# Allegro board FEE5_10_30.brd (continued)
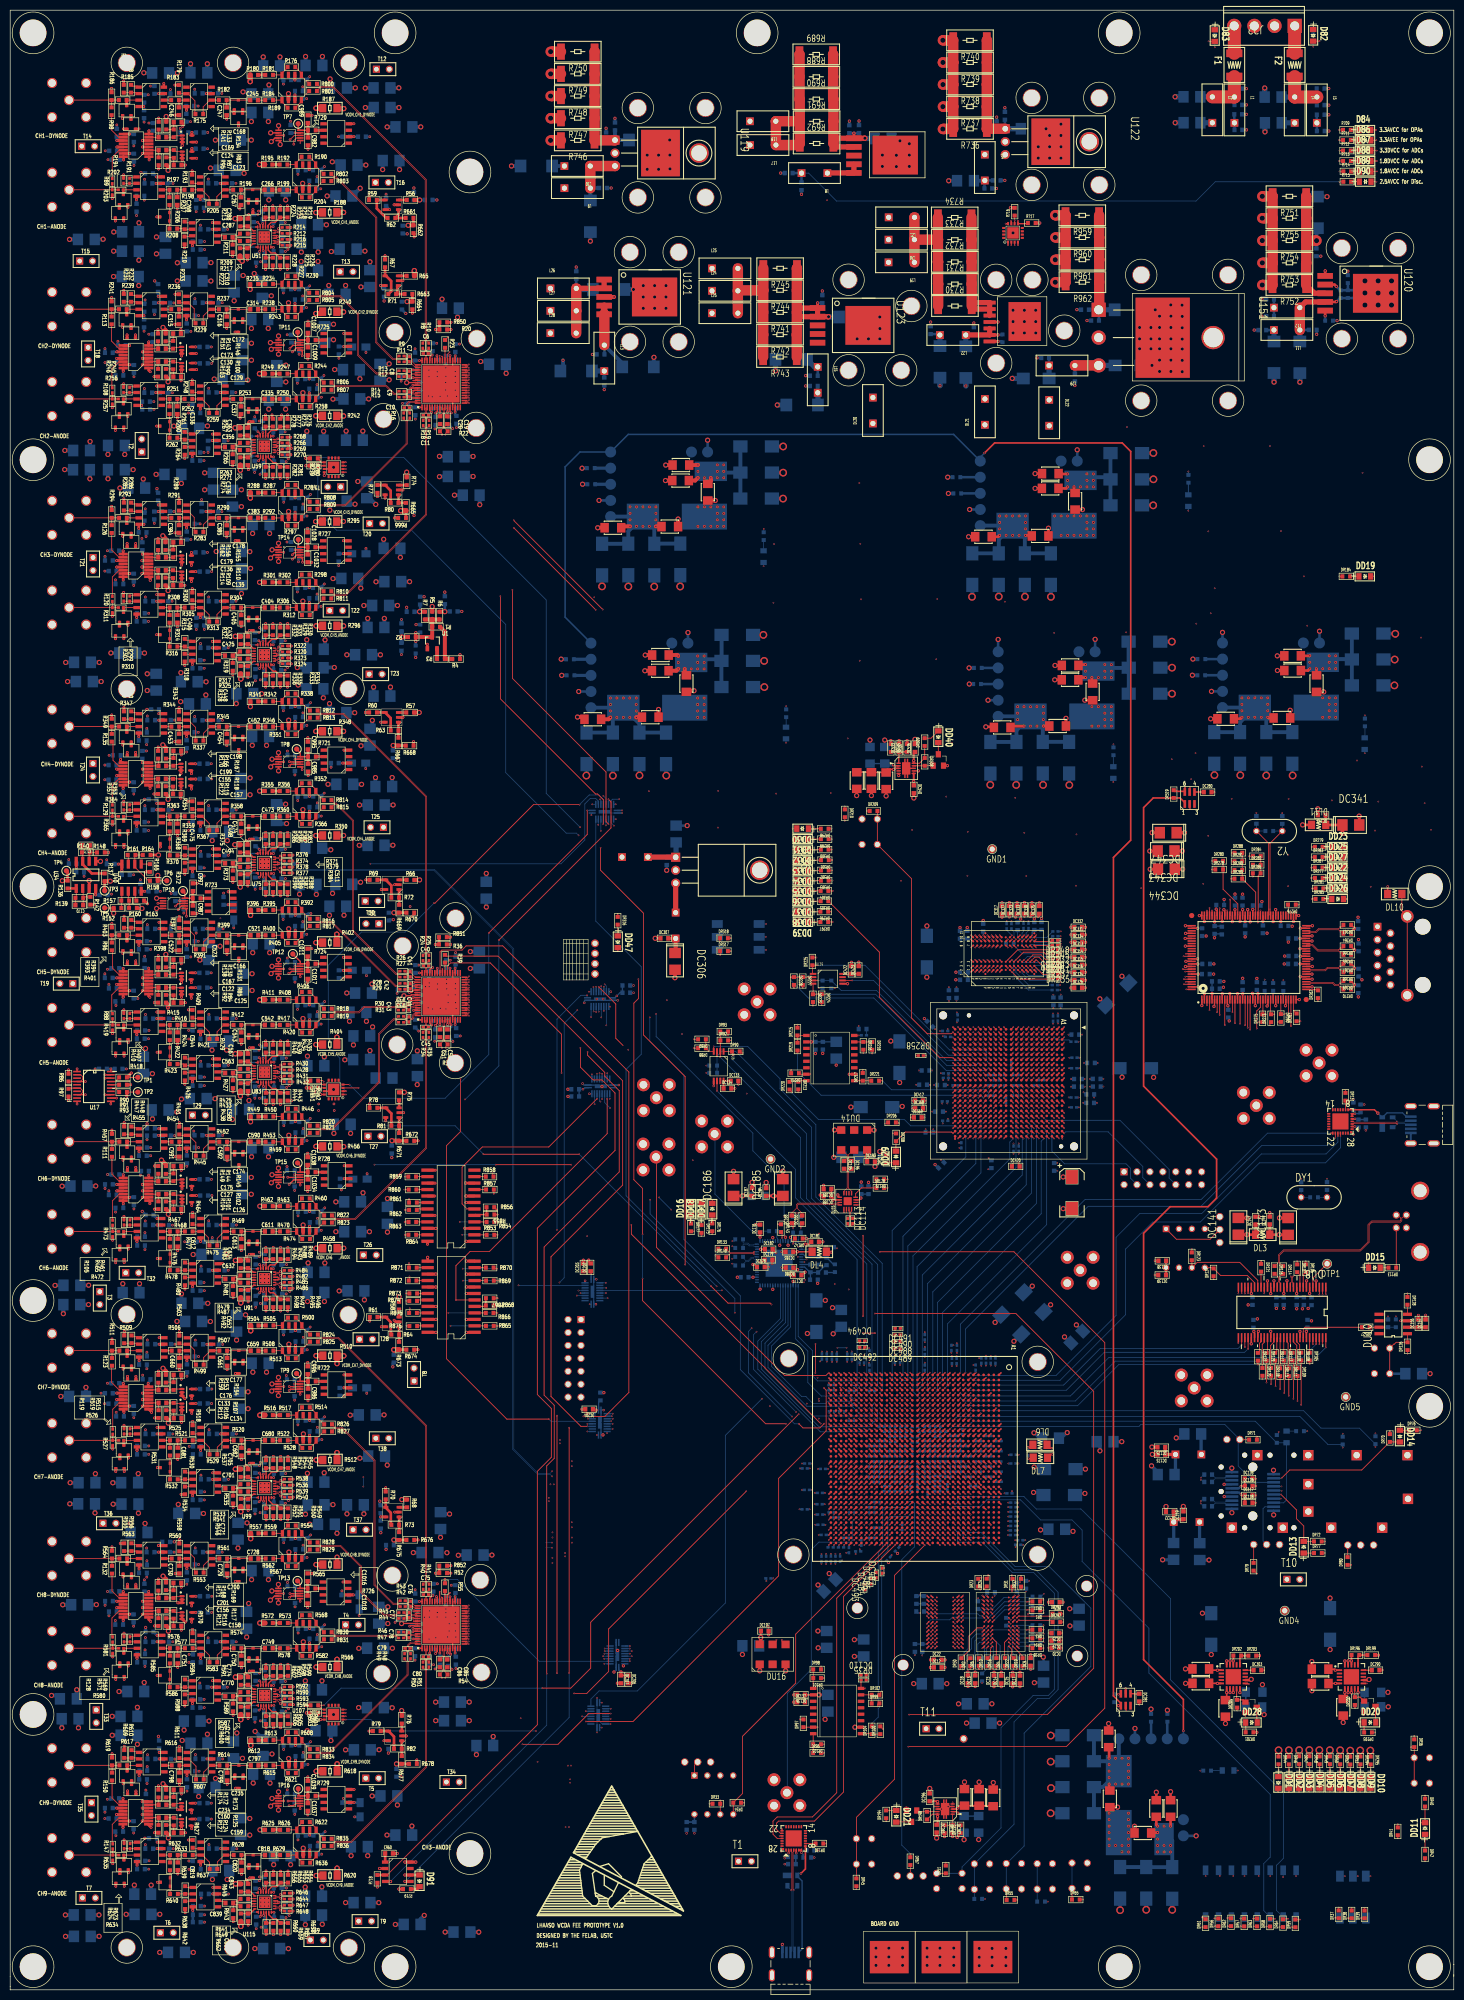
[diagram p0: board, top side]
## Placement (name value [footprint] x y rotation side) (continued)
DC429  0.22UF  [SC0402]  179.05 105.75 180 bottom
DC430  0.22UF  [SC0402]  181.23 105.76 180 bottom
DC431  0.22UF  [SC0402]  184.04 105.77 0 bottom
DC432  0.22UF  [SC0402]  186.23 105.78 0 bottom
DC433  0.22UF  [SC0402]  169.18 106.76 180 bottom
DC434  0.22UF  [SC0402]  171.35 106.77 180 bottom
DC435  0.22UF  [SC0402]  175.45 106.77 180 bottom
DC436  0.22UF  [SC0402]  170.21 103.73 180 bottom
DC437  0.22UF  [SC0402]  180.04 100.73 180 bottom
DC438  0.22UF  [SC0402]  182.18 99.9 180 bottom
DC439  0.22UF  [SC0402]  186.25 101.73 0 bottom
DC440  0.22UF  [SC0402]  184.33 100.74 180 bottom
DC441  0.22UF  [SC0402]  182.2 100.91 0 bottom
DC442  0.22UF  [SC0402]  180.01 101.75 0 bottom
DC443  0.22UF  [SC0402]  179.97 102.74 180 bottom
DC444  0.22UF  [SC0402]  182.16 102.74 180 bottom
DC445  0.22UF  [SC0402]  184.99 102.73 0 bottom
DC446  0.22UF  [SC0402]  181.03 103.74 180 bottom
DC447  0.22UF  [SC0402]  183.2 103.74 180 bottom
DC448  0.22UF  [SC0402]  183.34 109.6 0 bottom
DC449  0.22UF  [SC0402]  180.11 110.6 0 bottom
DC450  0.22UF  [SC0402]  182.29 110.6 0 bottom
DC451  0.22UF  [SC0402]  176.55 109.6 0 bottom
DC452  0.22UF  [SC0402]  181.17 109.61 0 bottom
DC453  0.22UF  [SC0402]  179 109.6 0 bottom
DC454  2.2UF  [SC0402]  185.33 104.77 0 bottom
DC455  2.2UF  [SC0402]  183.15 104.77 0 bottom
DC456  2.2UF  [SC0402]  173.2 105.77 0 bottom
DC457  2.2UF  [SC0402]  175.4 105.77 0 bottom
DC458  2.2UF  [SC0402]  172.39 103.73 180 bottom
DC459  2.2UF  [SC0402]  174.38 104.77 0 bottom
DC460  0.22UF  [SC0402]  172.35 101.73 180 bottom
DC461  0.22UF  [SC0402]  186.26 107.77 0 bottom
DC462  0.22UF  [SC0402]  169.36 104.76 180 bottom
DC463  0.22UF  [SC0402]  169.24 102.74 180 bottom
DC464  0.22UF  [SC0402]  171.19 107.77 0 bottom
DC465  0.22UF  [SC0402]  173.41 107.59 180 bottom
DC466  0.22UF  [SC0402]  177.72 108.53 0 bottom
DC467  0.22UF  [SC0402]  175.4 108.6 0 bottom
DC468  0.22UF  [SC0402]  173.23 108.61 0 bottom
DC469  0.22UF  [SC0402]  156.08 102.38 180 bottom
DC470  0.22UF  [SC0402]  156.56 103.35 180 bottom
DC471  0.22UF  [SC0402]  159.66 102.29 180 bottom
DC472  0.22UF  [SC0402]  174.31 97.9 0 bottom
DC473  0.22UF  [SC0402]  176.48 97.91 0 bottom
DC474  0.22UF  [SC0402]  178.24 98.64 90 bottom
DC475  0.22UF  [SC0402]  180.25 97.88 270 bottom
DC476  0.22UF  [SC0402]  182.12 97.9 180 bottom
DC477  0.22UF  [SC0402]  184.07 98.65 270 bottom
DC478  0.22UF  [SC0402]  172.27 98.9 180 bottom
DC479  0.22UF  [SC0402]  174.31 99.73 180 bottom
DC480  0.22UF  [SC0402]  176.44 98.91 180 bottom
DC481  0.22UF  [SC0402]  180.01 99.74 0 bottom
DC482  0.22UF  [SC0402]  182.16 98.91 0 bottom
DC483  0.22UF  [SC0402]  172.15 97.9 0 bottom
DC484  2.2UF  [SC0402]  169.11 80.23 270 top
DC485  2.2UF  [SC0402]  172.52 84.64 225 bottom
DC486  2.2UF  [SC0402]  170.16 81.42 270 top
DC487  2.2UF  [SC0402]  171.27 82.29 270 top
DC488  2.2UF  [SC0402]  174.32 127.34 0 top
DC489  2.2UF  [SC0402]  174.31 125.93 0 top
DC490  2.2UF  [SC0402]  174.32 128.65 0 top
DC491  2.2UF  [SC0402]  174.36 129.9 0 top
DC492  0.22UF  [SC0402]  167.38 126.18 0 top
DC493  0.22UF  [SC0402]  167.93 79.09 270 top
DC494  0.22UF  [SC0402]  167.37 127.46 180 top
DC495  0.22UF  [SC0402]  173.78 123.67 90 bottom
DC496  0.22UF  [SC0402]  167.75 123.62 90 bottom
DC497  0.22UF  [SC0402]  166.86 123.62 90 bottom
DC498  0.22UF  [SC0402]  174.82 123.67 90 bottom
DC499  0.22UF  [SC0402]  179.66 128.15 90 bottom
DC500  0.22UF  [SC0402]  185.91 123.47 90 bottom
DC501  0.22UF  [SC0402]  184.89 126.05 90 bottom
DC502  0.22UF  [SC0402]  185.98 126.06 90 bottom
DC503  0.22UF  [SC0402]  168.8 122.16 90 bottom
DC504  47UF  [STC3528]  167.67 67.13 270 bottom
DC505  0.22UF  [SC0402]  168.79 125.04 90 bottom
DC506  0.22UF  [SC0402]  179.66 125.27 90 bottom
DC507  0.22UF  [SC0402]  190.77 123.54 90 bottom
DC508  0.22UF  [SC0402]  191.69 123.55 90 bottom
DC509  0.22UF  [SC0402]  159.06 97.58 180 bottom
DC510  0.22UF  [SC0402]  165.32 124.34 90 bottom
DC511  0.22UF  [SC0402]  164.42 124.34 90 bottom
DC512  0.22UF  [SC0402]  159.17 91.33 180 bottom
DC513  0.22UF  [SC0402]  159.11 93.33 180 bottom
DC514  0.22UF  [SC0402]  159 95.36 180 bottom
DC515  0.22UF  [SC0402]  156.05 94.35 180 bottom
DC516  0.22UF  [SC0402]  148.94 80.78 180 bottom
DC517  0.22UF  [SC0402]  166.58 86.1 180 bottom
DC518  0.22UF  [SC0402]  162.12 84.63 270 bottom
DC519  0.22UF  [SC0402]  163.04 84.64 270 bottom
DC520  0.22UF  [SC0402]  159.37 84.62 270 bottom
DC521  0.22UF  [SC0402]  197.06 93.86 0 bottom
DC522  0.22UF  [SC0402]  197.06 94.77 0 bottom
DC523  0.22UF  [SC0402]  196.99 89.29 0 bottom
DC524  0.22UF  [SC0402]  197.06 95.67 0 bottom
DC525  0.22UF  [SC0402]  156.5 98.17 180 bottom
DC526  0.22UF  [SC0402]  196.3 97.48 0 bottom
DC527  0.22UF  [SC0402]  198.43 88.28 0 bottom
DC528  2.2UF  [SC0402]  198.01 87.38 0 bottom
DC529  470uF  [TANT-D]  208.58 156.51 270 top
DC530  470uF  [TANT-D]  174.7 183.14 270 bottom
DC531  2.2uF  [SC0402]  195.61 174.64 270 bottom
DC532  2.2uF  [SC0402]  196.67 181.54 90 bottom
DC533  1nF  [SC0603]  174.62 243.85 90 top
DC534  10UF  [1206]  171.81 242.42 90 bottom
DC535  10UF  [1206]  168.91 242.42 90 bottom
DC536  4.7UF  [SC0603]  177.74 243.84 90 top
DC537  10UF  [1206]  172.08 237.41 270 top
DC538  10UF  [1206]  169.18 237.46 270 top
DC539  10UF  [1206]  166.3 237.45 270 top
DC540  0.1uF  [SC0603]  177.52 235.74 270 top
DC541  0.1uF  [SC0603]  121.03 195.79 0 bottom
DC542  0.1uF  [SC0603]  121.04 197.22 0 bottom
DC543  0.22UF  [SC0402]  199.95 105.4 90 bottom
DC544  0.22UF  [SC0402]  179.18 104.24 90 bottom
DD1  LED  [SD0805]  249.12 40.71 270 top
DD2  LED  [SD0805]  251.15 40.71 270 top
DD3  LED  [SD0805]  253.17 40.73 270 top
DD4  LED  [SD0805]  255.18 40.74 270 top
DD5  LED  [SD0805]  257.2 40.75 270 top
DD6  LED  [SD0805]  259.21 40.74 270 top
DD7  LED  [SD0805]  261.22 40.73 270 top
DD8  LED  [SD0805]  263.21 40.71 270 top
DD9  LED  [SD0805]  265.2 40.73 270 top
DD10  LED  [SD0805]  267.2 40.72 270 top
DD11  GRN  [SD0805]  277.93 31.67 90 top
DD12  LED  [SD0805]  250.73 108.57 270 bottom
DD13  LED  [SD0805]  254.11 86.9 90 top
DD14  LED  [SD0805]  273 108.73 270 top
DD15  LED  [SD0805]  267.99 141.79 0 top
DD16  LED  [SD0805]  133.73 153.3 90 top
DD17  LED  [SD0805]  137.92 153.29 90 top
DD18  LED  [SD0805]  135.8 153.27 90 top
DD19  GRN  [SD0805]  266.09 277.55 0 top
DD20  GRN  [SD0805]  267.1 52.51 0 top
DD21  GRN  [SD0805]  174.06 34.08 270 top
DD22  LED  [SD0805]  260.69 218.32 0 top
DD23  LED  [SD0805]  260.72 224.42 0 top
DD24  LED  [SD0805]  260.75 216.27 0 top
DD25  LED  [SD0805]  260.71 222.38 0 top
DD26  LED  [SD0805]  260.76 214.2 0 top
DD27  LED  [SD0805]  260.71 220.35 0 top
DD28  GRN  [SD0805]  243.84 52.49 0 top
DD29  GRN  [SD0805]  174 163.55 90 top
DD30  LED  [SD0805]  155.66 228.01 180 top
DD31  LED  [SD0805]  155.66 225.96 180 top
DD32  LED  [SD0805]  155.71 223.9 180 top
DD33  LED  [SD0805]  155.7 221.82 180 top
DD34  LED  [SD0805]  155.7 219.82 180 top
DD35  LED  [SD0805]  155.69 217.83 180 top
DD36  LED  [SD0805]  155.67 215.81 180 top
DD37  LED  [SD0805]  155.65 213.77 180 top
DD38  LED  [SD0805]  155.69 211.75 180 top
DD39  LED  [SD0805]  155.72 209.7 180 top
DD40  GRN  [SD0805]  182.32 246.07 270 top
DD41  GRN  [SD0805]  266.08 244.7 270 bottom
DD42  GRN  [SD0805]  148 281.42 270 bottom
DD43  GRN  [SD0805]  152.41 246.79 270 bottom
DD44  GRN  [SD0805]  216.7 239.03 270 bottom
DD45  GRN  [SD0805]  239.25 43.06 0 bottom
DD46  GRN  [SD0805]  231.43 292.42 270 bottom
DD47  GRN  [SD0805]  119.36 205.8 270 top
DJ1  JUMPER_3  [HDR3X2_54]  135.04 44.73 0 bottom
DJ2  JTAG_CON14A  [HEAD-14P]  110.86 123.99 270 bottom
DJ3  JUMPER_3  [HDR3X2_54]  176.81 22.35 180 bottom
DJ4  JUMPER  [HDR2X2_54]  240.27 108.07 180 bottom
DJ5  JUMPER_3  [HDR3X2_54]  246.81 87.44 0 bottom
DJ6  JUMPER_3  [HDR3X2_54]  265.28 87.33 0 bottom
DJ8  USB_CON6  [MJ4-SR-1-S]  272.28 149.64 270 bottom
DJ9  JUMPER_3  [HDR3X2_54]  237.6 149.28 90 bottom
DJ10  USB_MINI_B  [CONN_USB_MINI_B_TH]  153.29 3.61 180 bottom
DJ11  USB_MINI_B  [CONN_USB_MINI_B_TH]  278.88 169.87 270 bottom
DJ12  LEMO_S  [CON-BNC-S-T]  138.37 168.06 180 bottom
DJ14  JTAG_CON14A  [HEAD-14P]  226.43 159.36 0 bottom
DJ15  LEMO_S  [CON-BNC-S-T]  232.59 118.18 180 bottom
DJ16  LEMO_S  [CON-BNC-S-T]  210.19 141.31 180 bottom
DJ17  LEMO_S  [CON-BNC-S-T]  152.59 38.71 180 bottom
DJ18  LEMO_S  [CON-BNC-S-T]  126.87 163.53 180 bottom
DJ19  LEMO_S  [CON-BNC-S-T]  257.12 182 180 bottom
DJ20  LEMO_S  [CON-BNC-S-T]  244.79 173.65 180 bottom
DJ21  LEMO_S  [CON-BNC-S-T]  146.74 193.99 180 bottom
DJ22  LEMO_S  [CON-BNC-S-T]  126.94 175.17 180 bottom
DL1  39mH  [BL02RN2R1M2B]  231.1 91.86 180 bottom
DL2  39mH  [BL02RN2R1M2B]  231.45 105.13 180 bottom
DL3  INDUCTOR  [SL1206]  246.04 148.28 0 top
DL4  bead  [SL1206]  158.93 144.91 0 top
DL5  bead  [SL1206]  146.89 155.89 180 bottom
DL6  bead  [SL1206]  202.3 107.01 180 top
DL7  bead  [SL1206]  202.37 104.48 0 top
DL8  10uH  [BL02RN2R1M2B]  122.72 222.42 0 bottom
DL9  10uH  [BL02RN2R1M2B]  130.73 208.99 270 bottom
DL10  bead  [SL1206]  271.99 215.18 0 top
DL11  bead  [SL1206]  257.03 228.75 180 top
DL20  68uH  [BL02RN2R1M2B]  169.48 310.12 90 top
DL21  68uH  [BL02RN2R1M2B]  191.47 309.85 90 top
DL22  10uH  [BL02RN2R1M2B]  204.1 309.67 270 top
DR1  50  [SR0603]  201.57 74.52 180 top
DR2  50  [SR0603]  188.61 64.36 90 top
DR3  50  [SR0603]  201.56 70.72 180 top
DR4  50  [SR0603]  195.43 64.37 90 top
DR5  50  [SR0603]  189.29 64.37 90 bottom
DR6  50  [SR0603]  190.29 64.37 90 top
DR7  50  [SR0603]  191 64.37 90 bottom
DR8  50  [SR0603]  192.76 64.36 90 bottom
DR9  50  [SR0603]  196.16 64.37 90 bottom
DR10  50  [SR0603]  191.99 64.37 90 top
DR11  50  [SR0603]  201.58 69.9 180 bottom
DR12  50  [SR0603]  201.57 73.57 180 bottom
DR13  50  [SR0603]  201.57 75.47 180 bottom
DR14  50  [SR0603]  201.56 69.02 180 top
DR15  50  [SR0603]  194.46 64.37 90 bottom
DR16  50  [SR0603]  193.71 64.37 90 top
DR17  50  [SR0603]  201.57 68.22 180 bottom
DR18  50  [SR0603]  201.56 67.09 180 top
DR19  50  [SR0603]  198.87 64.36 90 top
DR20  50  [SR0603]  201.58 71.58 180 bottom
DR21  50  [SR0603]  197.93 64.37 90 bottom
DR22  50  [SR0603]  197.11 64.37 90 top
DR23  240  [SR0603]  190.16 79.96 90 top
DR24  240  [SR0603]  191.83 79.96 90 top
DR25  100  [SR0603]  195.65 72.28 90 bottom
DR26  4.7K  [SR0603]  190.93 61.35 90 bottom
DR27  4.7K  [SR0603]  201.56 76.27 180 top
DR28  4.7K  [SR0603]  201.59 77.19 180 bottom
DR29  4.7K  [SR0603]  187.12 64.36 90 bottom
DR30  4.7K  [SR0603]  186.86 64.36 90 top
DR31  240  [SR0603]  196.9 79.93 90 top
DR32  240  [SR0603]  198.57 79.93 90 top
DR33  2.2k  [SR0603]  138.73 36.54 0 top
DR34  2.2k  [SR0603]  142.81 36.75 180 top
DR35  140  [SC0402]  167.65 60.83 180 top
DR36  4.7K  [SR0603]  275.82 48.42 270 top
DR37  1.21K  [SR0603]  260.98 14.81 90 top
DR38  1.21K  [SR0603]  263.52 14.81 90 top
DR39  1.21K  [SR0603]  266.05 14.8 90 top
DR40  330  [SR0603]  277.93 36.75 270 top
DR41  4.7K  [SR0603]  272.57 31.12 90 top
DR42  4.7K  [SR0603]  277.93 26.59 270 top
DR44  1k  [SR0603]  249.15 45.05 270 top
DR45  4.7K  [SR0603]  166.23 21.11 270 top
DR46  1k  [SR0603]  251.19 45.03 270 top
DR47  1k  [SR0603]  253.21 45.1 270 top
DR48  1k  [SR0603]  255.21 45.1 270 top
DR49  1k  [SR0603]  257.21 45.06 270 top
DR50  1k  [SR0603]  259.24 45.08 270 top
DR51  4.7K  [SR0603]  183.79 23.63 90 top
DR52  1k  [SR0603]  261.26 45.06 270 top
DR53  1k  [SR0603]  263.24 45.01 270 top
DR54  4.7K  [SR0603]  202.5 17.32 0 bottom
DR55  4.7K  [SR0603]  196.51 17.66 0 top
DR56  4.7K  [SR0603]  237.33 13.24 90 top
DR57  4.7K  [SR0603]  242.41 13.23 90 top
DR58  4.7K  [SR0603]  247.48 13.19 90 top
DR59  4.7K  [SR0603]  252.47 13.05 90 top
DR60  4.7K  [SR0603]  190.15 17.85 0 bottom
DR61  4.7K  [SR0603]  234.82 13.08 90 top
DR62  4.7K  [SR0603]  239.82 13.27 90 top
DR63  4.7K  [SR0603]  244.93 13.23 90 top
DR64  4.7K  [SR0603]  250.04 13.1 90 top
DR65  4.7K  [SR0603]  209.34 17.72 0 top
DR66  100  [SC0402]  175.22 90.86 90 bottom
DR67  1k  [SR0603]  176.83 25.27 270 top
DR68  100  [SC0402]  189.17 98.91 180 bottom
DR69  100  [SC0402]  169.29 117.6 180 bottom
DR70  4.7K  [SR0603]  271.03 108.36 90 top
DR71  4.7K  [SR0603]  244.14 108.03 0 top
DR72  4.7K  [SR0603]  256.87 88.04 0 top
DR73  4.7K  [SR0603]  248.81 108.17 90 bottom
DR74  4.7K  [SR0603]  268.19 107.93 90 bottom
DR75  4.7K  [SR0603]  261.77 107.85 90 bottom
DR76  4.7K  [SR0603]  275.55 109.87 0 top
DR77  4.7K  [SR0603]  256.89 85.77 0 top
DR78  4.7K  [SR0603]  253.38 109.71 0 bottom
DR79  4.7K  [SR0603]  244.25 83.08 90 top
DR80  4.7K  [SR0603]  262.72 84.2 90 top
DR88  4.7K  [SR0603]  135.9 184.91 180 top
DR89  4.7K  [SR0603]  135.9 186.64 180 top
DR90  4.7K  [SR0603]  142.55 184.26 0 top
DR92  4.7K  [SR0603]  140.26 186.42 0 top
DR93  4.7K  [SR0603]  140.26 188.17 0 top
DR94  4.7K  [SR0603]  138.1 181.49 180 bottom
DR95  4.7K  [SR0603]  138.09 180.06 180 bottom
DR96  DNP  [SR0603]  158.5 46.52 0 top
DR97  4.7K  [SR0603]  155.82 52.34 90 top
DR98  4.7K  [SR0603]  158.51 62.91 0 top
DR99  DNP  [SR0603]  169.99 56.24 0 top
DR100  4.7K  [SR0603]  170.93 50.97 90 top
DR101  15  [SR0603]  158.52 61.22 180 top
DR102  15  [SR0603]  169.99 57.92 0 top
DR103  15  [SR0603]  158.5 48.21 180 top
DR104  15  [SR0603]  169.25 50.97 90 top
DR105  1k  [SR0603]  255.26 124.34 270 top
DR106  22  [SR0603]  254.5 141.69 270 top
DR107  22  [SR0603]  252.82 141.68 270 top
DR108  22  [SR0603]  253.59 124.36 270 top
DR109  22  [SR0603]  252.88 121.29 270 top
DR110  22  [SR0603]  251.9 124.33 270 top
DR111  22  [SR0603]  251.17 121.27 270 top
DR112  22  [SR0603]  250.19 124.33 270 top
DR113  2K  [SR0603]  271.51 141.82 180 top
DR114  22  [SR0603]  250.06 141.35 270 top
DR115  22  [SR0603]  249.46 121.27 270 top
DR116  22  [SR0603]  248.37 141.35 270 top
DR117  22  [SR0603]  248.48 124.32 270 top
DR118  22  [SR0603]  247.69 121.34 270 top
DR119  22  [SR0603]  246.79 124.31 270 top
DR120  22  [SR0603]  246 121.34 270 top
DR121  10k  [SR0603]  245.72 141.78 270 top
DR122  22  [SR0603]  245.1 124.31 270 top
DR123  2.2k  [SR0603]  232.12 144.03 270 top
DR124  2.2k  [SR0603]  236.39 140.88 90 top
DR125  10M  [SR0603]  256.13 155.62 180 bottom
DR126  4.7K  [SR0603]  274.49 126.39 90 top
DR127  33  [SR0603]  266.3 130.1 180 top
DR128  4.7K  [SR0603]  274.47 135.29 270 top
DR129  100k  [SR0603]  272.2 130.88 90 bottom
DR130  4.7K  [SR0603]  158.96 28.73 180 top
DR131  4.7K  [SR0603]  262.3 175.36 270 top
DR132  0  [SR0603]  149.85 148.98 0 bottom
DR133  0  [SR0603]  139.88 145.51 0 top
DR135  100  [SR0603]  154.55 148.68 0 bottom
DR140  0  [SR0603]  139.88 143.82 0 top
DR142  5.1k  [SR0603]  154.92 147.53 180 top
DR143  4.12k  [SR0603]  151.41 149.56 270 top
DR145  0  [SR0603]  143.2 143.94 0 bottom
DR151  0  [SR0603]  143.2 142.22 0 bottom
DR152  0  [SR0603]  158.1 145.54 0 bottom
DR164  0  [SR0603]  143.2 147.36 0 bottom
DR170  0  [SR0603]  143.2 145.67 0 bottom
DR173  3k  [SR0603]  158.78 143.17 270 bottom
DR174  2.1k  [SR0603]  162.01 141.7 90 bottom
DR175  4.7K  [SR0603]  135.79 149.4 270 top
DR176  4.7K  [SR0603]  137.91 149.73 270 top
DR177  4.7K  [SR0603]  133.73 149.7 270 top
DR178  0  [SR0603]  170.92 157.47 0 top
DR179  0  [SR0603]  170.91 159.15 180 top
DR180  0  [SR0603]  234 261.31 180 bottom
DR181  0  [SR0603]  114.05 298.81 180 bottom
DR182  20.8k  [SR0603]  233.97 258.13 180 bottom
DR183  1.21K  [SR0603]  114.15 295.64 180 bottom
DR184  4.7K  [SR0603]  262.46 277.54 0 top
DR185  0  [SR0603]  227.32 53.41 90 bottom
DR186  0  [SR0603]  109.96 261.28 180 bottom
DR187  4.78k  [SR0603]  224.1 53.41 90 bottom
DR188  7.09k  [SR0603]  110.08 258.11 180 bottom
DR189  0  [SR0603]  185.88 297.02 180 bottom
DR190  0  [SR0603]  190.09 259.57 180 bottom
DR191  2.38k  [SR0603]  186.04 293.84 180 bottom
DR192  12.1k  [SR0603]  189.94 256.41 180 bottom
DR193  4.7K  [SR0603]  266.74 50.54 180 top
DR194  4.7K  [SR0603]  172.07 34.46 90 top
DR195  10k  [SR0603]  186.69 31.54 90 top
DR196  1.13K  [SR0603]  264.25 65.73 0 top
DR197  10k  [SR0603]  183.54 31.54 270 top
DR198  100k  [SR0603]  180.11 34.22 90 top
DR199  4.53K  [SR0603]  267.36 65.73 0 top
DR200  100k  [SR0603]  264.14 56.7 90 top
DR201  4.7K  [SR0603]  243.46 50.57 180 top
DR202  2.49K  [SR0603]  241.04 65.63 0 top
DR203  4.99K  [SR0603]  244 65.61 0 top
DR204  100k  [SR0603]  241.03 56.17 90 top
DR205  100  [SC0402]  208.88 186.17 180 bottom
DR206  4.7K  [SR0603]  173.22 170.32 0 top
DR208  330  [SR0603]  174.02 167.4 270 top
DR209  4.7K  [SR0603]  169.6 231.48 0 top
DR210  4.7K  [SR0603]  163.96 231.02 270 top
DR211  20  [SR0603]  172.11 163.16 90 top
DR212  140  [SC0402]  167.71 187.44 180 bottom
DR213  DNP  [SR0603]  154.81 177.57 270 top
DR214  4.7K  [SR0603]  154.18 179.99 180 top
DR215  4.7K  [SR0603]  154.66 188.16 90 top
DR216  DNP  [SR0603]  167.6 185.37 270 top
DR217  4.7K  [SR0603]  167.48 179.28 90 top
DR218  15  [SR0603]  169.32 185.36 270 top
DR219  15  [SR0603]  154.66 185.21 90 top
DR220  15  [SR0603]  153.09 177.55 90 top
DR221  15  [SR0603]  169.92 178.51 0 top
DR222  100  [SC0402]  185.7 177.6 180 bottom
DR223  4.7K  [SR0603]  157.7 194.72 270 top
DR224  4.7K  [SR0603]  159.41 194.73 270 top
DR225  4.7K  [SR0603]  157.59 201.95 90 top
DR227  4.7K  [SR0603]  155.69 198.09 270 top
DR228  4.7K  [SR0603]  153.95 198.09 270 top
DR229  4.7K  [SR0603]  159.59 197.42 270 bottom
DR230  4.7K  [SR0603]  161.29 197.43 270 bottom
DR231  240  [SC0402]  196.69 208.85 270 bottom
DR232  50  [SC0402]  205.25 204.22 0 top
DR233  50  [SC0402]  205.21 202.07 0 bottom
DR234  50  [SC0402]  205.22 198.21 0 bottom
DR235  50  [SC0402]  205.29 200.39 0 top
DR236  50  [SC0402]  205.29 204.97 0 bottom
DR237  50  [SC0402]  205.28 201.36 0 top
DR238  50  [SC0402]  205.21 201.15 0 bottom
DR239  50  [SC0402]  205.21 200.19 0 bottom
DR240  50  [SC0402]  205.22 199.17 0 bottom
DR241  50  [SC0402]  205.31 205.92 0 bottom
DR242  50  [SC0402]  205.2 196.32 0 bottom
DR243  50  [SC0402]  205.27 203.27 0 top
DR244  50  [SC0402]  200.03 208.92 90 bottom
DR245  50  [SC0402]  205.24 205.16 0 top
DR246  50  [SC0402]  199.06 208.92 90 bottom
DR247  50  [SC0402]  205.26 204.02 0 bottom
DR248  50  [SC0402]  205.24 206.09 0 top
DR249  50  [SC0402]  205.31 206.89 0 bottom
DR250  50  [SC0402]  205.33 207.83 0 bottom
DR251  50  [SC0402]  205.27 202.31 0 top
DR252  50  [SC0402]  205.2 203.05 0 bottom
DR253  100  [SR0603]  196.36 205.48 0 bottom
DR254  4.7K  [SC0402]  195.74 208.85 270 bottom
DR255  4.7K  [SC0402]  205.28 199.4 180 top
DR256  4.7K  [SC0402]  205.27 198.48 180 top
DR257  100  [SC0402]  205.24 197.3 180 bottom
DR258  100  [SC0402]  178.89 183.46 180 top
DR259  4.7K  [SR0603]  250.1 196.91 90 bottom
DR260  4.7K  [SR0603]  249.61 190.83 270 top
DR261  4.7K  [SR0603]  252.69 190.95 90 top
DR262  4.99K  [SR0603]  256.88 195.49 90 top
DR263  47  [SR0603]  262.66 209.1 180 top
DR264  47  [SR0603]  262.66 207.4 180 top
DR265  47  [SR0603]  262.66 203.26 180 top
DR266  47  [SR0603]  262.66 204.93 180 top
DR267  47  [SR0603]  262.66 201.5 180 top
DR268  47  [SR0603]  262.66 199.81 180 top
DR269  47  [SR0603]  262.66 198.12 180 top
DR270  47  [SR0603]  262.66 196.45 180 top
DR271  1M 5%  [SR0603]  247.35 227.55 180 bottom
DR272  4.7K  [SR0603]  248.1 196.94 270 bottom
DR273  4.7K  [SR0603]  247.68 190.79 90 top
DR274  4.7K  [SR0603]  246.43 196.93 270 bottom
DR275  4.7K  [SR0603]  246 190.79 90 top
DR276  4.7K  [SR0603]  251.79 213.09 180 top
DR277  150  [SR0603]  257.07 218.33 0 top
DR278  0  [SR0603]  237.5 219.99 0 top
DR279  150  [SR0603]  257.06 224.42 0 top
DR280  DNP  [SR0603]  237.5 221.68 0 top
DR281  150  [SR0603]  257.19 216.26 0 top
DR282  0  [SR0603]  244.89 220.91 0 top
DR283  150  [SR0603]  257.05 222.42 0 top
DR284  0  [SR0603]  244.89 222.6 0 top
DR285  150  [SR0603]  257.19 214.21 0 top
DR286  0  [SR0603]  244.87 219.23 0 top
DR287  1k  [SR0603]  257.04 220.35 0 top
DR288  0  [SR0603]  241.27 223.26 0 top
DR289  0  [SR0603]  241.25 218.18 0 top
DR290  0  [SR0603]  241.26 219.88 0 top
DR291  0  [SR0603]  241.26 221.58 0 top
DR292  4.7K  [SR0603]  205.51 72.19 0 top
DR293  4.7K  [SR0603]  205.51 73.84 0 top
DR294  1k  [SR0603]  265.23 45.05 270 top
DR295  1k  [SR0603]  267.24 45.03 270 top
DR296  1k  [SR0603]  159.93 211.73 180 top
DR297  1k  [SR0603]  159.92 209.69 180 top
DR298  1k  [SR0603]  160 228 180 top
DR299  1k  [SR0603]  160.01 225.96 180 top
DR300  1k  [SR0603]  160.01 223.91 180 top
DR301  1k  [SR0603]  160.04 221.83 180 top
DR302  1k  [SR0603]  160.03 219.82 180 top
DR303  1k  [SR0603]  160.02 217.82 180 top
DR304  1k  [SR0603]  159.96 215.79 180 top
DR305  1k  [SR0603]  159.96 213.77 180 top
DR306  10k  [SR0603]  173 243.85 270 top
DR307  10k  [SR0603]  176.19 243.86 90 top
DR308  100k  [SR0603]  179.65 241.12 270 top
DR309  4.7K  [SR0603]  179.63 245.02 90 top
DR310  4.7K  [SR0603]  266.13 248.87 270 bottom
DR311  4.7K  [SR0603]  148.03 285.45 270 bottom
DR312  4.7K  [SR0603]  152.43 250.66 270 bottom
DR313  4.7K  [SR0603]  216.73 243.2 270 bottom
DR314  4.7K  [SR0603]  235.13 43.04 0 bottom
DR315  4.7K  [SR0603]  231.45 296.71 270 bottom
DR316  4.7K  [SR0603]  119.34 209.92 270 top
DR317  1.21K  [SR0603]  140.23 203.95 0 top
DR318  1.21K  [SR0603]  140.23 206.5 0 top
DR319  100k  [SR0603]  228.56 234.81 90 top
DR320  100k  [SR0603]  216.9 57.25 90 bottom
DSW1  DIP_SDA03H1SBD  [SW_SDA_6P]  263.76 18.21 90 bottom
DSW2  Push Button  [PB4_5]  277.31 43.07 0 bottom
DSW3  Push Button  [PB4_5]  167.73 27.18 0 bottom
DSW4  Push Button  [PB4_5]  184.49 21.37 270 bottom
DSW5  Push Button  [PB4_5]  203.25 22.27 0 bottom
DSW6  Push Button  [PB4_5]  197.17 22.31 0 bottom
DSW7  SW DIP-8  [SDMX-8-X]  243.72 18.88 90 bottom
DSW8  Push Button  [PB4_5]  190.9 22.23 0 bottom
DSW9  Push Button  [PB4_5]  210.08 22.41 0 bottom
DSW10  SW_Reset  [PB4_5]  269.5 123.5 0 bottom
DSW12  Push Button  [PB4_5]  168.84 227.4 0 bottom
DSW13  DIP_SDA03H1SBD  [SW_SDA_6P]  143.02 206.76 0 bottom
DTC221  10UF  [1206]  131.75 299.41 180 top
DTP1  T POINT A  [GND40]  258.69 142.57 0 top
DU1  ddr3_78pin  [FBGA_78]  183.64 72.25 0 top
DU2  ddr3_78pin  [FBGA_78]  194.56 72.25 0 top
DU3  24LC64-I/P  [DIP8-100-300]  138.22 38.27 0 bottom
DU4  A7_FFG1156  [XC7A200T_FFG1156]  177.72 104.25 270 top
DU5  74441-0010  [LASER22-4816-M]  248.19 101.25 180 bottom
DU6  AT93C46D  [TSSOP8]  139.17 181.37 270 top
DU7  N25Q256A13ESF40G  [SOIC16W]  162.44 54.75 0 top
DU8  CY7C68013A-56PVXC_0  [SOP56-25-300]  249.86 133.01 180 top
DU9  24LC64-I/P  [DIP8-100-300]  230.87 145.61 0 bottom
DU10  ADM706RAR_0  [SOP8-50-160]  271.69 130.74 90 top
DU11  CP2103  [QFN_28]  153.92 29.73 90 top
DU12  CP2103  [QFN_28]  261.31 170.52 180 top
DU13  AD9522-3  [CP-64-4]  151.05 142.67 180 bottom
DU14  SiT9102AI-283N33E125.00000  [XO75L]  165.8 166.87 180 top
DU15  SY8933L  [QFN_16]  164.53 154.87 90 top
DU16  SiT9102AI-283N33E200.00000  [XO75L]  149.78 65.87 0 top
DU17  74LVT244A  [DHVQFN20]  116.03 177.4 0 bottom
DU20  74LVT244A  [DHVQFN20]  115.82 111.39 270 bottom
DU21  74LVT244A  [DHVQFN20]  114.38 137.08 270 bottom
DU24  74LVT244A  [DHVQFN20]  119.29 65.76 90 bottom
DU25  -  [PTH08T240W]  247.67 258.14 180 bottom
DU26  -  [PTH08T240W]  127.48 295.63 180 bottom
DU27  -  [PTH08T240W]  224.12 39.76 90 bottom
DU28  -  [PTH08T240W]  123.62 258.1 180 bottom
DU29  -  [PTH08T240W]  200.09 293.85 180 bottom
DU30  -  [PTH08T240W]  203.6 256.4 180 bottom
DU31  TPS3808G09  [SOT-23-6]  231.69 234.03 0 top
DU32  TPS3808G09  [SOT-23-6]  219.13 56.97 0 top
DU33  TPS74401  [QFN65P500X500-21]  263.47 61.46 0 top
DU34  TPS51200  [SON-10]  183.65 35.49 90 top
DU35  TPS74401  [QFN65P500X500-21]  240.27 61.47 0 top
DU36  MIC29500-3.3BT  [TO-220-B]  130.73 219.85 270 top
DU37  6slx45tfgg484  [SOC_IRON_6211_484P]  197.13 178.11 270 top
DU38  N25Q256A13ESF40G  [SOIC16W]  161.11 182.96 0 top
DU39  AT93C46D  [TSSOP8]  160.61 198.53 0 top
DU40  ddr3_96pin  [FBGA_DDR3_82P_96P]  195.17 203.47 90 top
DU41  M88E1111  [PQFP50P1720X2320-128R]  243.35 202.7 90 top
DU42  10/100/1000 RJ45  [RJ45_HFJ11-1G01E]  277.49 203.04 270 bottom
DU43  TPS51200  [SON-10]  176.01 239.85 270 top
DU44  74LVT244A  [DHVQFN20]  115.86 194.55 180 bottom
DU45  74LVT244A  [DHVQFN20]  116.78 231.33 180 bottom
DU46  74LVT244A  [DHVQFN20]  115.53 53.95 90 bottom
DX1  SP0503BAHT  [SOT143]  153.65 21.45 90 bottom
DX2  SP0503BAHT  [SOT143]  270.55 170.35 180 bottom
DY1  24MHz  [XTAL2-200A]  256.13 155.62 0 top
F1  FUSE  [SL1812]  240.47 377.98 270 top
F2  FUSE  [SL1812]  252.32 377.98 270 top
G1  GND  [GND_GND]  447.01 -369.5 0 top
G2  GND  [GND_GND]  467.36 -369.49 0 top
G3  GND  [GND_GND]  457.18 -369.5 0 top
GND1  T POINT A  [GND40]  192.91 223.99 0 top
GND2  T POINT A  [GND40]  149.37 163.13 0 top
GND3  T POINT A  [GND40]  187.29 49.3 180 bottom
GND4  T POINT A  [GND40]  250.37 74.44 0 top
GND5  T POINT A  [GND40]  262.35 116.41 0 top
J4  SMAREC  [SG0479]  220.11 108.46 180 bottom
J5  SMAREC  [SG0479]  220.12 90.84 180 bottom
J6  SMAREC  [SG0479]  220.12 67.4 180 bottom
J7  SMAREC  [SG0479]  220.12 49.77 180 bottom
J8  SMAREC  [SG0479]  220.12 26.43 180 bottom
